# Altium PCB BW2098POE.PcbDoc (part 2 of 4) (continued)
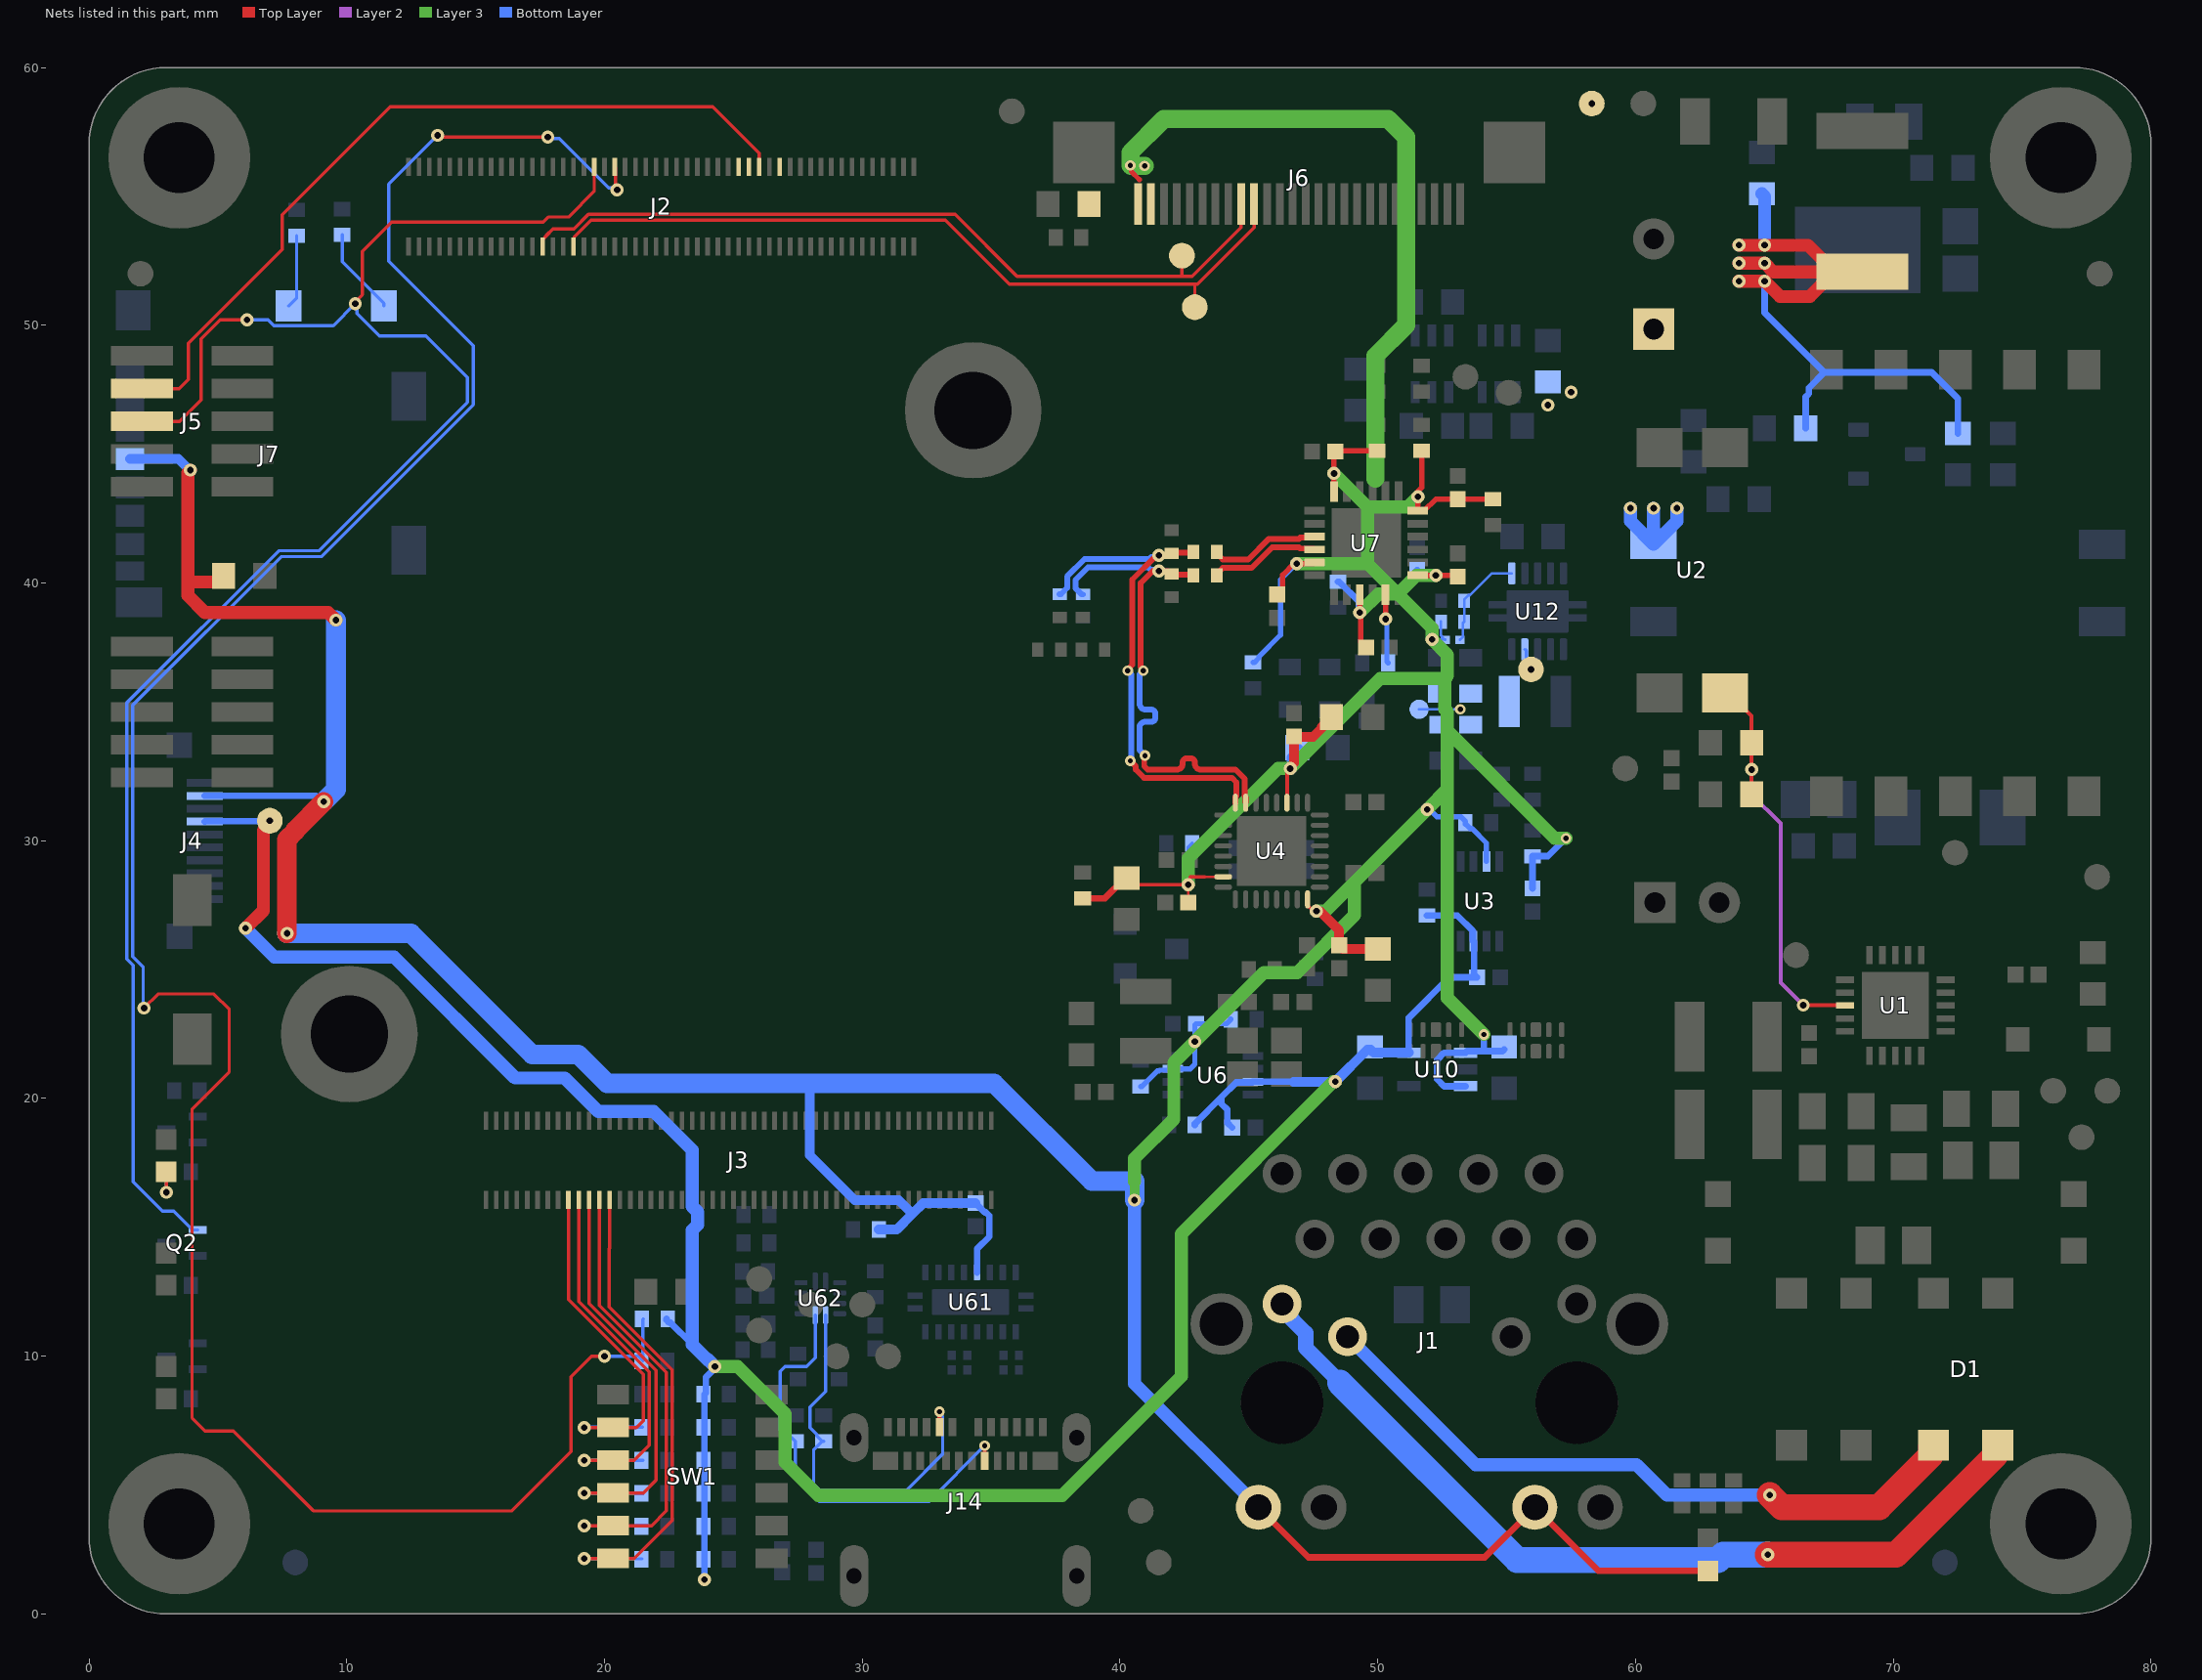
[diagram p4: the nets of this part, all layers, seen from the top]
## Part data (continued)
R70: library part RC0402FR-0722RL, "RES SMD 22 OHM 1% 1/16W 0402", Manufacturer 1=Yageo, Max Operating Temperature=155°C, Min Operating Temperature=-55°C, Package Height=0.35mm, Package Length=1mm, Package Shape=Rectangular, Package Style=SMTMeter, Package Width=0.5mm, Rated Power Dissipation (P)=62.5mW, Rated Temperature=70°C, Resistance=22R, Resistor Type="FIXED RESISTOR", Supplier Part Number 1=1987710, Temperature Coefficient=100ppm/°C, Tolerance=1%, Working Voltage=50V, Additional Feature="LASER TRIMMABLE", Category="Chip SMD Resistors", ComponentLink1Description=https://datasheet.ciiva.com:443/pdfs/VipMasterIC/IC/YAGO/YAGO-S-A0008145938/YAGO-S-A0008145938-1.pdf?src-supplier=IHS+Markit, ComponentLink1URL=https://datasheet.ciiva.com:443/pdfs/VipMasterIC/IC/YAGO/YAGO-S-A0008145938/YAGO-S-A0008145938-1.pdf?src-supplier=IHS+Markit, ComponentLink2Description=https://datasheet.ciiva.com/11819/0900766b80c66297-11819462.pdf?src-supplier=RSComponents, ComponentLink2URL=https://datasheet.ciiva.com/11819/0900766b80c66297-11819462.pdf?src-supplier=RSComponents, ComponentLink3Description=https://datasheet.ciiva.com/16930/pyu-rc0402-51-rohs-l-6-r-16930687.pdf?src-supplier=Future+Electronics, ComponentLink3URL=https://datasheet.ciiva.com/16930/pyu-rc0402-51-rohs-l-6-r-16930687.pdf?src-supplier=Future+Electronics, ComponentLink4Description=https://datasheet.ciiva.com/7849/1018594-7849911.pdf?src-supplier=Element14, ComponentLink4URL=https://datasheet.ciiva.com/7849/1018594-7849911.pdf?src-supplier=Element14, ComponentLink5Description=https://datasheet.ciiva.com/26829/getdatasheetpartid-554995-26829991.pdf?src-supplier=Verical, ComponentLink5URL=https://datasheet.ciiva.com/26829/getdatasheetpartid-554995-26829991.pdf?src-supplier=Verical, ComponentLink6Description=https://datasheet.ciiva.com/7849/1018594-7849912.pdf?src-supplier=Element14, ComponentLink6URL=https://datasheet.ciiva.com/7849/1018594-7849912.pdf?src-supplier=Element14, Construction=Chip, JESD-609 Code=e3, Manufacturer Part Number 1=RC0402FR-0722RL, Mount="Surface Mount", Number of Pins=2, Packaging="Tape and Reel", Pricing 1="10000=0,00200, 50000=0,00200, 100000=0,00200, 200000=0,00200, 400000=0,00200 (GBP)", REACH SVHC=Yes, RoHS=Yes, RoHS Compliant=Yes, Size Code=0402, Stock 1=4700, Supplier 1=RSComponents, Technology="METAL GLAZE/THICK FILM", Terminal Finish=Nickel, Termination=Wraparound
R187 R190: library part CRCW04021M80FKED, "RES SMD 1.8M OHM 1% 1/16W 0402", Case Code (Imperial)=0402, Case Code (Metric)=1005, Manufacturer 1=Vishay, Max Operating Temperature=155°C, Min Operating Temperature=-55°C, Package Quantity=10000, Power Rating=63mW, Resistance=1.8MR, Supplier Part Number 1=541-1.80MLCT-ND, Temperature Coefficient=100ppm/°C, Tolerance=1%, Voltage Rating=50V, Case/Package=0402, ComponentLink1Description=https://datasheet.ciiva.com/11812/0900766b80d98824-11812579.pdf?src-supplier=RSComponents, ComponentLink1URL=https://datasheet.ciiva.com/11812/0900766b80d98824-11812579.pdf?src-supplier=RSComponents, ComponentLink2Description=https://datasheet.ciiva.com/16886/dcrcwe3-16886536.pdf?src-supplier=Avnet+Europe, ComponentLink2URL=https://datasheet.ciiva.com/16886/dcrcwe3-16886536.pdf?src-supplier=Avnet+Europe, ComponentLink3Description=https://datasheet.ciiva.com/7800/1697337-7800987.pdf?src-supplier=Element14, ComponentLink3URL=https://datasheet.ciiva.com/7800/1697337-7800987.pdf?src-supplier=Element14, ComponentLink4Description=https://datasheet.ciiva.com/16786/70201119-16786875.pdf?src-supplier=Allied+Electronics, ComponentLink4URL=https://datasheet.ciiva.com/16786/70201119-16786875.pdf?src-supplier=Allied+Electronics, ComponentLink5Description=https://datasheet.ciiva.com/22676/1700796-22676027.pdf?src-supplier=Element14, ComponentLink5URL=https://datasheet.ciiva.com/22676/1700796-22676027.pdf?src-supplier=Element14, ComponentLink6Description=https://datasheet.ciiva.com/7800/1697337-7800988.pdf?src-supplier=Element14, ComponentLink6URL=https://datasheet.ciiva.com/7800/1697337-7800988.pdf?src-supplier=Element14, ComponentLink7Description=https://datasheet.ciiva.com/26316/fld-crcw-e3-data-en-26316605.pdf?src-supplier=Distrelec, ComponentLink7URL=https://datasheet.ciiva.com/26316/fld-crcw-e3-data-en-26316605.pdf?src-supplier=Distrelec, ComponentLink8Description=https://datasheet.ciiva.com/8336/dcrcwe3-8336646.pdf?src-supplier=Avnet, ComponentLink8URL=https://datasheet.ciiva.com/8336/dcrcwe3-8336646.pdf?src-supplier=Avnet, Composition="Thick Film", Contact Plating=Tin, Depth=0.5mm, Height=0.35mm, Lead Free="Lead Free", Length=1mm, Manufacturer Part Number 1=CRCW04021M80FKED, Military Standard=Not, Mount="Surface Mount", Number of Pins=2, Packaging="Tape and Reel", Pricing 1="1=0.10000, 10=0.03800, 100=0.01540, 1000=0.00690, 2500=0.00599, 5000=0.00495 (USD)", Radiation Hardening=No, REACH SVHC=Unknown, RoHS=Yes, Stock 1=26061, Supplier 1=Digi-Key, Termination=SMD/SMT, Voltage Rating (DC)=50V, Weight=2.3E-05oz, Width=0.5mm
SW1: library part A6H-6102, "SWITCH SLIDE DIP SPST 25MA 24V (SEALED)", Case/Package=DIP, Contact Resistance=200mR, Current Rating=25mA, Manufacturer 1=Omron, Max Operating Temperature=70°C, Max Voltage Rating (DC)=24V, Min Operating Temperature=-20°C, Package Quantity=54, Supplier Part Number 1=SW1117-ND, Actuator Length=0mm, Actuator Type="Slide (Standard)", ComponentLink1Description=https://datasheet.ciiva.com/26883/getdatasheetpartid-744653-26883354.pdf?src-supplier=Verical, ComponentLink1URL=https://datasheet.ciiva.com/26883/getdatasheetpartid-744653-26883354.pdf?src-supplier=Verical, ComponentLink2Description=https://datasheet.ciiva.com/2864/a6h-1110-2864768.pdf?src-supplier=Digi-Key, ComponentLink2URL=https://datasheet.ciiva.com/2864/a6h-1110-2864768.pdf?src-supplier=Digi-Key, ComponentLink3Description=https://datasheet.ciiva.com/1529/611565-1529044.pdf?src-supplier=Element14, ComponentLink3URL=https://datasheet.ciiva.com/1529/611565-1529044.pdf?src-supplier=Element14, ComponentLink4Description=https://datasheet.ciiva.com/16198/a6h-1110-16198863.pdf?src-supplier=Onlinecomponents.com, ComponentLink4URL=https://datasheet.ciiva.com/16198/a6h-1110-16198863.pdf?src-supplier=Onlinecomponents.com, Depth=6.7mm, Electrical Life=1000Cycles, Height=1.55mm, Length=0.348inch, Manufacturer Part Number 1=A6H-6102, Max Current Rating=25mA, Mechanical Life=1000Cycles, Mount="Surface Mount", Number of Circuits=6, Number of Poles=4, Number of Positions=6, Orientation=Straight, Packaging=Rail/Tube, Pitch=0.05inch, Pricing 1="1=2.66000, 10=2.57900, 25=2.44640, 50=2.28700, 100=2.23380, 250=1.91468, 500=1.86148, 1000=1.59555, 5000=1.46259 (USD)", Radiation Hardening=No, REACH SVHC=Unknown, RoHS=Yes, Stock 1=3953, Supplier 1=Digi-Key, Supplier 2=Mouser, Supplier 3=Farnell, Supplier Part Number 2=653-A6H-6102, Supplier Part Number 3=1829491, Terminal Pitch=1.27mm, Termination="Gull Wing", Throw Configuration=SPST, Voltage Rating (DC)=24V, Washable=Yes, Weight=0.12g, Width=4.5mm
T1: "TRANS FLYBACK POE 127UH SMD", Case/Package=SMD/SMT, Current Rating=1.3A, Frequency=500kHz, Inductance=127uH, Manufacturer 1="Wurth Electronics", Max Input Voltage=57V, Max Operating Temperature=125°C, Min Input Voltage=36V, Min Operating Temperature=-40°C, Output Voltage=5V, Package Quantity=1, Power Rating=13W, Supplier Part Number 1=732-2432-1-ND, ComponentLink1Description="Manufacturer URL", ComponentLink1URL=http://www.we-online.com, ComponentLink2Description=Datasheet, ComponentLink2URL=http://www.we-online.de/katalog/media/pdf/749119950.pdf, ComponentLink3Description=https://datasheet.ciiva.com/1378/749119950-1378246.pdf?src-supplier=Element14, ComponentLink3URL=https://datasheet.ciiva.com/1378/749119950-1378246.pdf?src-supplier=Element14, ComponentLink4Description=https://datasheet.ciiva.com/5309/749119950-91646-5309801.pdf?src-supplier=Mouser, ComponentLink4URL=https://datasheet.ciiva.com/5309/749119950-91646-5309801.pdf?src-supplier=Mouser, ComponentLink5Description=https://datasheet.ciiva.com/1386/749119950-1386647.pdf?src-supplier=Farnell, ComponentLink5URL=https://datasheet.ciiva.com/1386/749119950-1386647.pdf?src-supplier=Farnell, ComponentLink6Description=https://datasheet.ciiva.com/2940/749119950-2940138.pdf?src-supplier=Digi-Key, ComponentLink6URL=https://datasheet.ciiva.com/2940/749119950-2940138.pdf?src-supplier=Digi-Key, ComponentLink7Description=https://datasheet.ciiva.com/2940/749119950-2940139.pdf?src-supplier=Digi-Key, ComponentLink7URL=https://datasheet.ciiva.com/2940/749119950-2940139.pdf?src-supplier=Digi-Key, Height=12.5mm, Height - Seated (Max)=12.5mm, Length=13.5mm, Manufacturer Part Number 1=749119950, Mount="Surface Mount", Packaging="Tape and Reel", Pricing 1="1=5.64000, 10=5.44300, 50=5.14100, 100=4.83800 (USD)", REACH SVHC="No SVHC", RoHS=Yes, Stock 1=148, Supplier 1=Digi-Key, Supplier 2=Digi-Key, Supplier 3=Mouser, Supplier Part Number 2=732-2432-6-ND, Supplier Part Number 3=710-749119950, Width=17.75mm
TP1 TP2 TP3 TP4 TP5 TP6 TP7 TP8 TP9 TP10 TP11 TP12 TP13 TP16 TP17 TP18 TP19 TP20 TP40 TP41 TP42 TP43 TP44 TP?: library part TEST_POINT
  TP20: REACH SVHC="No SVHC", RoHS=Yes
U1: "IC POE CNTRL 1 CHANNEL 20QFN", Manufacturer 1="Silicon Labs", Supplier Part Number 1=336-4270-ND, ComponentLink1Description=https://www.silabs.com/documents/public/data-sheets/si3404-datasheet.pdf?src-supplier=Digi-Key, ComponentLink1URL=https://www.silabs.com/documents/public/data-sheets/si3404-datasheet.pdf?src-supplier=Digi-Key, Manufacturer Part Number 1=SI3404-A-GM, Pricing 1="1=1.46000, 25=1.41040, 100=1.35600, 1000=1.33340 (USD)", RoHS=No, Stock 1=1481, Supplier 1=Digi-Key, Supplier 2=Mouser, Supplier Part Number 2=634-SI3404-A-GM
U2: "OPTOISOLATOR 5.3KV TRANS 4-SMD", Case/Package=SMD/SMT, Collector Emitter Saturation Voltage=400mV, Collector Emitter Voltage (VCEO)=80V, Current Transfer Ratio=100%, Forward Current=60mA, Forward Voltage=1.1V, Isolation Voltage=5.3kV, Manufacturer 1="Vishay Semiconductors", Max Collector Current=50mA, Max Operating Temperature=110°C, Max Power Dissipation=150mW, Min Operating Temperature=-55°C, Package Quantity=1, Reverse Breakdown Voltage=6V, Supplier Part Number 1=VO618A-3X017TCT-ND, ComponentLink1Description=https://datasheet.ciiva.com/26183/vo618a-26183397.pdf?src-supplier=Avnet+Europe, ComponentLink1URL=https://datasheet.ciiva.com/26183/vo618a-26183397.pdf?src-supplier=Avnet+Europe, ComponentLink2Description=https://datasheet.ciiva.com/2087/vo618a-2087431.pdf?src-supplier=Digi-Key, ComponentLink2URL=https://datasheet.ciiva.com/2087/vo618a-2087431.pdf?src-supplier=Digi-Key, ComponentLink3Description=https://datasheet.ciiva.com/2087/vo618a-2087432.pdf?src-supplier=Digi-Key, ComponentLink3URL=https://datasheet.ciiva.com/2087/vo618a-2087432.pdf?src-supplier=Digi-Key, ComponentLink4Description=https://datasheet.ciiva.com/2087/vo618a-2087433.pdf?src-supplier=Digi-Key, ComponentLink4URL=https://datasheet.ciiva.com/2087/vo618a-2087433.pdf?src-supplier=Digi-Key, Contact Plating=Tin, Input Current=60mA, Lead Free="Lead Free", Manufacturer Part Number 1=VO618A-3X017T, Max Input Current=60mA, Max Output Voltage=80V, Mount="Surface Mount", Number of Channels=1, Number of Elements=1, Number of Pins=4, Output Current per Channel=50mA, Packaging="Tape and Reel", Power Dissipation=150mW, Pricing 1="1=1.04000, 10=0.80900, 100=0.51980, 500=0.43890 (USD)", Radiation Hardening=No, REACH SVHC=Unknown, RoHS=Yes, Stock 1=28306, Supplier 1=Digi-Key, Supplier 2=Newark, Supplier 3=Mouser, Supplier Part Number 2=48W3695, Supplier Part Number 3=78-VO618A-3X017T
U3 U6: library part TXS0102DCUR, "TEXAS INSTRUMENTS - TXS0102DCUR - IC, TRANSLATOR, 2 BIT, BI, US-8", Case/Package=VSSOP, High Level Output Current=-20uA, Low Level Output Current=1mA, Manufacturer 1="Texas Instruments", Max Operating Temperature=85°C, Max Supply Voltage=5.5V, Min Operating Temperature=-40°C, Min Supply Voltage=1.65V, Nominal Supply Current=14.4uA, Output Current=1A, Package Quantity=1, Supplier Part Number 1=296-21931-1-ND, Category="Logic Gates", ComponentLink1Description=https://datasheet.ciiva.com/15096/getdatasheetpartid-118249-15096172.pdf?src-supplier=Verical, ComponentLink1URL=https://datasheet.ciiva.com/15096/getdatasheetpartid-118249-15096172.pdf?src-supplier=Verical, ComponentLink2Description=https://datasheet.ciiva.com/22653/1846850-22653373.pdf?src-supplier=Farnell, ComponentLink2URL=https://datasheet.ciiva.com/22653/1846850-22653373.pdf?src-supplier=Farnell, ComponentLink3Description=https://datasheet.ciiva.com/1508/1857232-1508821.pdf?src-supplier=Element14, ComponentLink3URL=https://datasheet.ciiva.com/1508/1857232-1508821.pdf?src-supplier=Element14, ComponentLink4Description=https://datasheet.ciiva.com/1899/txs0102-1899368.pdf?src-supplier=Digi-Key, ComponentLink4URL=https://datasheet.ciiva.com/1899/txs0102-1899368.pdf?src-supplier=Digi-Key, ComponentLink5Description=https://datasheet.ciiva.com/1899/txs0102-1899369.pdf?src-supplier=Digi-Key, ComponentLink5URL=https://datasheet.ciiva.com/1899/txs0102-1899369.pdf?src-supplier=Digi-Key, ComponentLink6Description=https://datasheet.ciiva.com/1899/txs0102-1899370.pdf?src-supplier=Digi-Key, ComponentLink6URL=https://datasheet.ciiva.com/1899/txs0102-1899370.pdf?src-supplier=Digi-Key, ComponentLink7Description=https://datasheet.ciiva.com/14287/txs0102-14287516.pdf?src-supplier=Avnet, ComponentLink7URL=https://datasheet.ciiva.com/14287/txs0102-14287516.pdf?src-supplier=Avnet, ComponentLink8Description=https://datasheet.ciiva.com/28499/1863639-28499676.pdf?src-supplier=Element14, ComponentLink8URL=https://datasheet.ciiva.com/28499/1863639-28499676.pdf?src-supplier=Element14, ComponentLink9Description=https://datasheet.ciiva.com/14287/txs0102-14287518.pdf?src-supplier=Avnet, ComponentLink9URL=https://datasheet.ciiva.com/14287/txs0102-14287518.pdf?src-supplier=Avnet, ComponentLink10Description=https://datasheet.ciiva.com/46395/1863639-46395871.pdf?src-supplier=Element14, ComponentLink10URL=https://datasheet.ciiva.com/46395/1863639-46395871.pdf?src-supplier=Element14, Data Rate=24Mbps, Lead Free="Lead Free", Logic Function=Translator, Manufacturer Part Number 1=TXS0102DCUR, Number of Bits=2, Number of Channels=2, Number of Inputs=2, Number of Pins=8, Output Type=Voltage, Packaging="Tape and Reel", Pricing 1="1=0.75000, 10=0.65900, 25=0.61960, 100=0.50550, 250=0.46956, 500=0.39964, 1000=0.31971 (USD)", Propagation Delay=4.6ns, Quiescent Current=14.4uA, Radiation Hardening=No, REACH SVHC="No SVHC", RoHS=Yes, Stock 1=55123, Supplier 1=Digi-Key, Supplier 2=Newark, Supplier 3=Mouser, Supplier Part Number 2=30M1878, Supplier Part Number 3=595-TXS0102DCUR, Turn-On Delay Time=260ns, Weight=0.000339oz
U4: library part RTL8111HS, "IC ETHERNET/PCIe PHY Realtek", Manufacturer 1=Realtek, Manufacturer Part Number 1=RTL8111HS-CG, Supplier 1="Symmetry Electronics", Supplier 2="Future Electronics", Supplier Part Number 1=RTL8111HS-CG, Supplier Part Number 2=RTL8111HS-CG
U5: library part TLV431BCDBZR, "IC VREF SHUNT ADJ SOT23-3", Case/Package=SOT-23, Cathode Current=100uA, Manufacturer 1="Texas Instruments", Max Input Voltage=7V, Max Operating Temperature=125°C, Max Output Current=15mA, Max Output Voltage=6V, Min Input Voltage=1.24V, Min Operating Temperature=-40°C, Package Quantity=1, Supplier Part Number 1=296-17569-1-ND, Temperature Coefficient=129ppm/°C, Tolerance=0.5%, ComponentLink1Description=https://datasheet.ciiva.com/26889/tlv431bcdbzr-26889546.pdf?src-supplier=IIIC, ComponentLink1URL=https://datasheet.ciiva.com/26889/tlv431bcdbzr-26889546.pdf?src-supplier=IIIC, ComponentLink2Description=https://datasheet.ciiva.com/2006/tlv431a-2006546.pdf?src-supplier=Digi-Key, ComponentLink2URL=https://datasheet.ciiva.com/2006/tlv431a-2006546.pdf?src-supplier=Digi-Key, ComponentLink3Description=https://datasheet.ciiva.com/2006/tlv431a-2006547.pdf?src-supplier=Digi-Key, ComponentLink3URL=https://datasheet.ciiva.com/2006/tlv431a-2006547.pdf?src-supplier=Digi-Key, ComponentLink4Description=https://datasheet.ciiva.com/2006/tlv431a-2006548.pdf?src-supplier=Digi-Key, ComponentLink4URL=https://datasheet.ciiva.com/2006/tlv431a-2006548.pdf?src-supplier=Digi-Key, ComponentLink5Description=https://datasheet.ciiva.com/26264/tlv431b-26264234.pdf?src-supplier=Avnet+Europe, ComponentLink5URL=https://datasheet.ciiva.com/26264/tlv431b-26264234.pdf?src-supplier=Avnet+Europe, ComponentLink6Description=https://datasheet.ciiva.com/46397/1887487-46397709.pdf?src-supplier=Element14, ComponentLink6URL=https://datasheet.ciiva.com/46397/1887487-46397709.pdf?src-supplier=Element14, Lead Free="Lead Free", Manufacturer Part Number 1=TLV431BCDBZR, Number of Channels=1, Number of Pins=3, Output Current=15mA, Output Voltage=6V, Packaging="Tape and Reel", Pricing 1="1=0.92000, 10=0.81200, 100=0.57850, 500=0.46772, 1000=0.35695 (USD)", Radiation Hardening=No, REACH SVHC="No SVHC", Reference Type=Shunt,Adjustable, Reference Voltage=6V, RoHS=Yes, Stock 1=3209, Supplier 1=Digi-Key, Supplier 2="TI store", Supplier 3=Mouser, Supplier Part Number 2=TLV431BCDBZR, Supplier Part Number 3=595-TLV431BCDBZR
U7: "IC CLK GENERATOR 200MHZ 24QFN", Case/Package=QFN, Frequency=100MHz, Manufacturer 1="Silicon Labs", Max Frequency=200MHz, Max Operating Temperature=85°C, Max Supply Voltage=3.465V, Min Operating Temperature=-40°C, Min Supply Voltage=3.135V, Operating Supply Voltage=3.3V, Package Quantity=490, Supplier Part Number 1=336-2157-ND, Category="Clock and Timing", ComponentLink1Description=https://datasheet.ciiva.com/1178/si52142-1178690.pdf?src-supplier=Digi-Key, ComponentLink1URL=https://datasheet.ciiva.com/1178/si52142-1178690.pdf?src-supplier=Digi-Key, ComponentLink2Description=https://datasheet.ciiva.com/26919/getdatasheetpartid-550913-26919827.pdf?src-supplier=Verical, ComponentLink2URL=https://datasheet.ciiva.com/26919/getdatasheetpartid-550913-26919827.pdf?src-supplier=Verical, ComponentLink3Description=https://datasheet.ciiva.com/46413/1813417-46413349.pdf?src-supplier=Element14, ComponentLink3URL=https://datasheet.ciiva.com/46413/1813417-46413349.pdf?src-supplier=Element14, ComponentLink4Description=https://datasheet.ciiva.com/4771/si52142-4771159.pdf?src-supplier=Mouser, ComponentLink4URL=https://datasheet.ciiva.com/4771/si52142-4771159.pdf?src-supplier=Mouser, Height=0.75mm, Input=Clock, Length=4mm, Manufacturer Part Number 1=SI52142-A01AGM, Max Duty Cycle=55%, Number of Circuits=1, Number of Outputs=2, Number of Pins=24, Packaging=Tray, PLL=Yes, Pricing 1="1=1.81000, 25=1.66320, 100=1.51200, 1000=1.36080 (USD)", Radiation Hardening=No, REACH SVHC=Unknown, RoHS=Yes, Stock 1=398, Supplier 1=Digi-Key, Supplier 2=Mouser, Supplier 3=Newark, Supplier Part Number 2=634-SI52142A01A-GM, Supplier Part Number 3=54X5497, Width=4mm
U8 U11: library part LM66100DCKR, "IC OR CTRLR IDEAL DIODE SC70-6", Manufacturer 1="Texas Instruments", Supplier Part Number 1=296-53541-1-ND, Category="Integrated Circuits (ICs)", Lead Free="Lead Free", Manufacturer Part Number 1=LM66100DCKR, Pricing 1="1=0.41000, 10=0.32900, 25=0.30120, 100=0.20300, 250=0.16800, 500=0.15400, 1000=0.11550 (USD)", RoHS=Yes, Stock 1=8042, Supplier 1=Digi-Key, Supplier 2=Digi-Key, Supplier 3=Mouser, Supplier 4=Arrow, Supplier Part Number 2=296-53541-2-ND, Supplier Part Number 3=595-LM66100DCKR, Supplier Part Number 4=LM66100DCKR
U10: "IC REG LINEAR 1.8V 200MA SC70-5 Linear Voltage Regulator IC  1 Output  200mA SC-70-5", Case/Package=SC, Dropout Voltage=175mV, Manufacturer 1="Texas Instruments", Manufacturer Part Number 1=TLV70018DCKR, Manufacturer Part Number 2=TLV70018DCKT, Max Input Voltage=5.5V, Max Operating Temperature=125°C, Max Output Current=200mA, Max Output Voltage=1.8V, Max Power Dissipation=320mW, Min Current Limit=220mA, Min Input Voltage=2V, Min Operating Temperature=-40°C, Nominal Supply Current=31uA, Output Voltage Accuracy=2%, Package Quantity=1, Quiescent Current=30uA, Supplier Part Number 1=296-32409-1-ND, Accuracy=2%, ComponentLink1Description=https://datasheet.ciiva.com/41462/001014631-da-01-en-ic-reg-ldo-1-8v-0-tlv70018dckr-sot-5-tid-41462480.pdf?src-supplier=Conrad, ComponentLink1URL=https://datasheet.ciiva.com/41462/001014631-da-01-en-ic-reg-ldo-1-8v-0-tlv70018dckr-sot-5-tid-41462480.pdf?src-supplier=Conrad, ComponentLink2Description=https://datasheet.ciiva.com/22700/1882059-22700171.pdf?src-supplier=Element14, ComponentLink2URL=https://datasheet.ciiva.com/22700/1882059-22700171.pdf?src-supplier=Element14, ComponentLink3Description=https://datasheet.ciiva.com/14149/tlv700-eng-ds-14149837.pdf?src-supplier=Distrelec, ComponentLink3URL=https://datasheet.ciiva.com/14149/tlv700-eng-ds-14149837.pdf?src-supplier=Distrelec, ComponentLink4Description=https://datasheet.ciiva.com/7992/1882059-7992894.pdf?src-supplier=Element14, ComponentLink4URL=https://datasheet.ciiva.com/7992/1882059-7992894.pdf?src-supplier=Element14, Contact Plating=Gold, Height=1mm, Lead Free="Lead Free", Length=2.15mm, Manufacturer 2="Texas Instruments", Min Output Voltage=1.8V, Nominal Output Voltage=1.8V, Number of Outputs=1, Number of Pins=5, Number of Regulators=1, Output Current=200mA, Output Type=Fixed, Output Voltage=1.8V, Packaging="Tape and Reel", Polarity=Positive, Power Dissipation=320mW, Power Rating=320mW, Pricing 1="1=0.48000, 10=0.40900, 100=0.30570, 500=0.24020, 1000=0.18561 (USD)", Pricing 2="1=0.55000, 10=0.46700, 100=0.34900 (USD)", Radiation Hardening=No, REACH SVHC="No SVHC", RoHS=Yes, Stock 1=63905, Stock 2=13188, Supplier 1=Digi-Key, Supplier 2=Digi-Key, Supplier Part Number 2=296-25269-1-ND, Width=1.4mm
U12: "Switching Regulator, Voltage-mode, 3A, 1000kHz Switching Freq-Max, PDSO10", Manufacturer 1="Texas Instruments", Manufacturer Part Number 1=TPS51313DRCT, Supplier Part Number 1=296-39625-1-ND, Category="Voltage Regulators - Switching", ComponentLink1Description=https://www.ti.com:443/lit/ds/symlink/tps51313.pdf?src-supplier=IHS+Markit, ComponentLink1URL=https://www.ti.com:443/lit/ds/symlink/tps51313.pdf?src-supplier=IHS+Markit, ComponentLink2Description=https://datasheet.ciiva.com/6606/tps51313-6606037.pdf?src-supplier=Digi-Key, ComponentLink2URL=https://datasheet.ciiva.com/6606/tps51313-6606037.pdf?src-supplier=Digi-Key, ComponentLink3Description=https://datasheet.ciiva.com/12221/slusb31-213375-12221240.pdf?src-supplier=Mouser, ComponentLink3URL=https://datasheet.ciiva.com/12221/slusb31-213375-12221240.pdf?src-supplier=Mouser, Pricing 1="1=4,35000, 10=3,90500, 25=3,69200, 100=3,19970 (USD)", RoHS=Yes, Stock 1=10, Supplier 1=Digi-Key
U61: library part HD3SS3212RKSR, "IC MUX 2:1 8 OHM 20VQFN", Case/Package=VQFN, Manufacturer 1="Texas Instruments", Max Operating Temperature=70°C, Max Supply Voltage=3.6V, Min Operating Temperature=0°C, Min Supply Voltage=3V, Supplier Part Number 1=296-42174-1-ND, Bandwidth=8GHz, ComponentLink1Description=http://www.ti.com/general/docs/lit/getliterature.tsp?genericPartNumber=HD3SS3212&&fileType=pdf&src-supplier=Avnet, ComponentLink1URL=http://www.ti.com/general/docs/lit/getliterature.tsp?genericPartNumber=HD3SS3212&&fileType=pdf&src-supplier=Avnet, ComponentLink2Description=http://www.ti.com/general/docs/lit/getliterature.tsp?genericPartNumber=HD3SS3212&amp;&amp;fileType=pdf&src-supplier=Farnell, ComponentLink2URL=http://www.ti.com/general/docs/lit/getliterature.tsp?genericPartNumber=HD3SS3212&amp;&amp;fileType=pdf&src-supplier=Farnell, ComponentLink3Description=http://www.ti.com/lit/ds/symlink/hd3ss3212.pdf?src-supplier=Digi-Key, ComponentLink3URL=http://www.ti.com/lit/ds/symlink/hd3ss3212.pdf?src-supplier=Digi-Key, ComponentLink4Description=http://www.ti.com/lit/gpn/hd3ss3212?src-supplier=Mouser, ComponentLink4URL=http://www.ti.com/lit/gpn/hd3ss3212?src-supplier=Mouser, ComponentLink5Description=http://www.ti.com/general/docs/lit/getliterature.tsp?genericPartNumber=HD3SS3212&&fileType=pdf&src-supplier=Element14, ComponentLink5URL=http://www.ti.com/general/docs/lit/getliterature.tsp?genericPartNumber=HD3SS3212&&fileType=pdf&src-supplier=Element14, Data Rate=480Mbps, Lead Free="Lead Free", Manufacturer Part Number 1=HD3SS3212RKSR, Mount=Standard, Number of Pins=20, Number of Ports=3, Packaging="Tape and Reel", Pricing 1="1=1.79000, 10=1.61000, 100=1.29440, 500=1.06348, 1000=0.88117 (USD)", REACH SVHC="No SVHC", RoHS=Yes, Stock 1=36674, Supplier 1=Digi-Key, USB Standard="USB 3.1"
U62: library part TUSB321RWBR, "IC USB PORT CONTROL TYPE-C 12X2Q", Manufacturer 1="Texas Instruments", Max Operating Temperature=70°C, Max Supply Voltage=5.5V, Min Operating Temperature=0°C, Min Supply Voltage=4.5V, Supplier Part Number 1=296-42400-1-ND, ComponentLink1Description=http://www.ti.com/general/docs/lit/getliterature.tsp?genericPartNumber=TUSB321&&fileType=pdf&src-supplier=Avnet+Asia, ComponentLink1URL=http://www.ti.com/general/docs/lit/getliterature.tsp?genericPartNumber=TUSB321&&fileType=pdf&src-supplier=Avnet+Asia, ComponentLink2Description=http://www.ti.com/general/docs/lit/getliterature.tsp?genericPartNumber=TUSB321&&fileType=pdf&src-supplier=Farnell, ComponentLink2URL=http://www.ti.com/general/docs/lit/getliterature.tsp?genericPartNumber=TUSB321&&fileType=pdf&src-supplier=Farnell, ComponentLink3Description=http://www.ti.com/lit/ds/symlink/tusb321.pdf?src-supplier=Digi-Key, ComponentLink3URL=http://www.ti.com/lit/ds/symlink/tusb321.pdf?src-supplier=Digi-Key, ComponentLink4Description=http://www.ti.com/general/docs/lit/getliterature.tsp?genericPartNumber=TUSB321&&fileType=pdf&src-supplier=Element14, ComponentLink4URL=http://www.ti.com/general/docs/lit/getliterature.tsp?genericPartNumber=TUSB321&&fileType=pdf&src-supplier=Element14, ComponentLink5Description=http://www.ti.com/general/docs/lit/getliterature.tsp?genericPartNumber=TUSB321&&fileType=pdf&src-supplier=Avnet, ComponentLink5URL=http://www.ti.com/general/docs/lit/getliterature.tsp?genericPartNumber=TUSB321&&fileType=pdf&src-supplier=Avnet, Contact Plating=Gold, Lead Free="Lead Free", Manufacturer Part Number 1=TUSB321RWBR, Mount="Surface Mount", Number of Pins=12, Number of Ports=1, Packaging="Tape and Reel", Pricing 1="1=2.27000, 10=2.04200, 100=1.64100, 500=1.34828, 1000=1.11714 (USD)", REACH SVHC="No SVHC", RoHS=Yes, Stock 1=7746, Supplier 1=Digi-Key, USB Standard="USB 3.1"
X1: library part ECS-250-18-36B-CKY-TR, "CRYSTAL 25.0000MHZ 18PF SMD 25MHz ±10ppm Crystal 18pF 50 Ohms 4-SMD, No Lead", Manufacturer 1="ECS International", Supplier Part Number 1=XC3051CT-ND, Manufacturer Part Number 1=ECS-250-18-36B-CKY-TR, Pricing 1="1=0.48000, 10=0.39900, 50=0.35880, 100=0.31900, 500=0.30306 (USD)", RoHS=No, Stock 1=1111, Supplier 1=Digi-Key, Supplier 2=Mouser, Supplier 3=Arrow, Supplier Part Number 2=520-250-18-36B-CKYT, Supplier Part Number 3=ECS-250-18-36B-CKY-TR

## Via types
v1: diameter 0.508, hole 0.254, Top Layer to Bottom Layer, tented both sides, 416 vias
v2: diameter 0.406, hole 0.203, Top Layer to Bottom Layer, tented both sides, 145 vias

## Nets (pads, with @x,y where several pads share a name; then routed paths per layer and width w, separated by ;. In a path a pad name is that pad's centre, name@x,y a point inside that pad or via, vN(x,y) a via of type N, cw(c..) or ccw(c..) an arc to the next point about the centre after c; other vN are vias at no path point)
1V8: C18.2 C52.2 C60.2 J4.7 R1.1 R2.2 R6.2 R7.2 R9.2 R16.2 R50.2 R60.2 R61.2 TP16.1 U3.3 U6.3 U10.5 | length 103.6
  Top Layer w0.508: v1(6.079,26.605) 6.767,27.293 6.767,30.396 7.014,30.643 v1(7.014,30.776)
  Layer 3 w0.508: v1(24.281,9.6) 25.17,9.6 27,7.77 27,5.886 28.296,4.59 37.751,4.59 42.38,9.219 42.38,14.748 48.281,20.65 v1(48.35,20.65)
  Bottom Layer w0.254: J4.7@4.494,30.742 4.512,30.759 6.997,30.759 v1(7.014,30.776) ; R1.1@22.408,11.45 22.408,11.4 22.506,11.302 22.556,11.302 23.4,10.458 ; v1(23.881,1.335) R16.2@23.881,2.124 ; R16.2@23.881,2.133 R61.2@23.881,3.404 ; R61.2@23.881,3.413 R60.2@23.881,4.684 ; R60.2@23.881,4.693 R7.2@23.881,5.964 ; R7.2@23.881,5.973 R9.2@23.881,7.244 ; R9.2@23.881,7.253 23.881,8.524 23.93,8.573 23.93,9.18 24.281,9.531 v1(24.281,9.6) v1@24.233,9.649 ; R50.2@42.9,18.97 42.9,19.02 43.926,20.046 ; C52.2@44.35,18.87 44.167,19.053 44.167,19.561 43.926,19.803 43.926,20.046 ; 46.732,20.65 U6.3@45.15,20.65 45.127,20.627 44.507,20.627 43.926,20.046 ; C60.2@49.7,21.9 49.703,21.897 C60.2@49.825,21.775 ; U10.5@51.2,21.775 51.2,23.133 52.768,24.7 C18.2@53.85,24.7 53.736,24.814 53.736,26.079 U3.3@53.713,26.102 53.69,26.125 53.69,26.498 53.088,27.1 R6.2@51.9,27.1
  Bottom Layer w0.381: 46.732,20.65 v1(48.35,20.65) 49.597,21.897 49.703,21.897 49.722,21.897 49.834,21.785 51.191,21.785 U10.5@51.2,21.775
  Bottom Layer w0.508: v1(6.079,26.605) 7.199,25.486 11.841,25.486 16.53,20.796 18.457,20.796 19.753,19.5 21.9,19.5 23.4,18 23.4,15.812 23.61,15.603 23.61,15.098 23.4,14.888 23.4,10.458 23.988,9.87 ; 24,9.881 v1@24.233,9.649
3V3: C10.2 C16.1 C17.1 C19.2 C21.2 C27.1 C28.1 C29.1 C30.1 C31.1 C32.2 C34.2 C35.1 C38.2 C39.2 C40.2 C41.2 C51.1 C53.2 C54.2 C55.2 C59.2 C74.2 D16.2 FB1.2 J1.15 J1.17 J4.9 J6.25 J6.26 J7.4 L3.2 R25.1 R26.1 R28.1 R29.1 R30.2 R35.1 R37.1 R38.1 R39.1 R46.1 R49.1 R68.2 R186.2 TP20.1 U3.7 U4.11 U4.23 U4.32 U6.7 U7.1 U7.6 U7.12 U7.17 U7.21 U10.1 U10.3 U61.6 | length 282
  Top Layer w0.102: C34.2@42.65,27.6 v1(42.65,28.29) ; 42.687,28.557 42.721,28.591 ; 43.3,28.6 U4.23@44,28.6
  Top Layer w0.127: C21.2@40.2,28.55 C21.2@40.25,28.55 40.3,28.6 40.61,28.29 v1(42.65,28.29) ; 42.721,28.591 43.291,28.591 43.3,28.6 ; U4.32@47.275,27.725 47.275,27.495 v1@47.441,27.328
  Top Layer w0.152: U4.11@46.475,31.475 46.481,31.481 v1@46.481,32.684 ; C41.2@46.75,34.05 C41.2@46.769,34.031
  Top Layer w0.2: v2(40.4,56.2) 40.439,56.161 40.439,55.961 40.747,55.653
  Top Layer w0.203: C27.1@46.1,39.55 46.308,39.758 46.308,40.308 46.752,40.752 v1(46.85,40.752) 47.502,40.752 U7.17@47.55,40.8 ; U7.12@48.3,43.55 v1(48.3,44.25) 48.3,45.05 C29.1@48.35,45.1 48.375,45.125 R39.1@49.975,45.125 ; U7.21@49.3,39.55 v1(49.3,38.85) 49.3,38.795 49.342,38.753 49.342,37.708 C31.1@49.55,37.5 ; U7.1@51.55,40.3 v1(52.25,40.3) 53.05,40.3 C30.1@53.1,40.25 ; R38.1@51.7,45.125 51.7,43.7 51.55,43.55 v1(51.55,43.35) U7.6@51.55,42.8 51.8,42.8 52.25,43.25 C28.1@53.1,43.25 R35.1@54.463,43.25
  Top Layer w0.254: R29.1@38.552,27.766 39.416,27.766 C21.2@40.2,28.55 ; J1.15@45.37,4.14 47.31,2.2 54.15,2.2 J1.17@56.09,4.14 58.555,1.675 D16.2@62.8,1.675
  Top Layer w0.381: v1@46.75,32.999 C41.2@46.75,34.05 ; C41.2@46.769,34.031 47.486,34.031 47.826,34.371 47.826,34.426 C38.2@48.2,34.8 ; v1(47.618,27.275) 47.643,27.251 47.775,27.251 48.5,26.526 C40.2@48.5,25.95 48.65,25.8 C39.2@50,25.8
  Top Layer w0.508: v1(3.936,44.379) 3.832,44.274 3.832,40.037 ; C55.2@5.219,40.281 5.219,40.233 5.023,40.037 3.832,40.037 ; v1(9.581,38.561) 9.281,38.86 4.49,38.86 3.832,39.519 3.832,40.037
  Top Layer w0.762: v1(7.683,26.41) 7.683,30.055 7.997,30.369 7.997,30.405 v1(9.104,31.512)
  Layer 3 w0.381: v1(40.565,16.057) 40.565,16.793
  Layer 3 w0.508: 40.565,16.793 40.565,17.673 42.083,19.192 42.083,21.392 v1(42.9,22.208) 45.572,24.881 46.866,24.881 49.096,27.111 49.096,28.396 ; v1(42.65,28.29) 42.65,29.312 46.138,32.8 v1(46.6,32.8) 50.1,36.3 52.6,36.3 ; v1(46.85,40.752) 49.598,40.752 ; v1(47.618,27.275) 47.975,27.275 49.096,28.396 ; v1(48.3,44.25) 49.598,42.952 ; v1(49.3,38.85) 50.027,39.577 50.773,39.577 ; v1(51.55,43.35) 51.152,42.952 49.598,42.952 ; v1(52.25,40.3) 51.497,40.3 50.773,39.577 ; v2(54.119,22.482) 52.7,23.9 52.7,32 ; v2(57.3,30.1) 56.866,30.1 52.7,34.266 ; 49.096,28.396 v1(51.919,31.219) 52.7,32 ; 49.598,40.752 49.598,42.952 ; 49.598,40.752 50.773,39.577 ; 50.773,39.577 52.1,38.25 v1(52.1,37.806) 52.7,37.206 52.7,36.4 52.6,36.3 ; 52.6,36.3 52.6,35.1 52.7,35 52.7,34.266 ; 52.7,32 52.7,34.266
  Layer 3 w0.7: v2(40.951,56.18) 40.42,56.18 v2(40.4,56.2) 40.4,56.7 41.7,58 50.4,58 51.1,57.3 51.1,50 49.9,48.8 49.9,44.055
  Bottom Layer w0.102: TP20.1@51.6,35.1 v2@53.198,35.099 ; v1(52.1,37.806) C54.2@52.594,37.806 ; R68.2@52.45,38.5 52.45,37.97 52.491,37.929 52.491,37.909 C54.2@52.594,37.806 ; C54.2@52.594,37.806 52.614,37.806 C54.2@52.62,37.8 52.6,37.8 C54.2@52.594,37.806
  Bottom Layer w0.127: v1(42.65,28.29) 42.65,29.75 R28.1@42.8,29.9
  Bottom Layer w0.203: R49.1@40.8,20.47 40.85,20.47 41.457,21.077 41.513,21.077 41.538,21.102 42.002,21.102 U6.7@42.05,21.15 42.723,21.15 42.9,21.327 v1(42.9,22.208) 42.9,22.85 C53.2@42.95,22.9 44.127,22.9 44.3,23.073 R46.1@44.3,23.075 ; R30.2@45.158,36.917 45.208,36.917 45.381,37.09 45.381,37.14 46.222,37.981 46.222,40.123 v1(46.85,40.752) ; v1(51.919,31.219) 52.002,31.219 52.298,30.923 53.227,30.923 53.4,30.75 R25.1@53.4,30.7 53.4,30.65 53.573,30.477 53.643,30.477 54.213,29.906 U3.7@54.213,29.202
  Bottom Layer w0.254: J4.9@4.494,31.742 8.806,31.742 9.035,31.512 v1(9.104,31.512) ; R186.2@30.636,14.923 R186.2@30.641,14.918 ; C74.2@34.392,15.945 34.754,15.584 34.797,15.584 34.931,15.45 34.931,14.641 34.45,14.16 U61.6@34.45,13.25 ; v1(46.6,32.8) 46.6,33.254 46.916,33.57 FB1.2@46.963,33.617 ; R37.1@48.45,40.05 48.5,40.05 49.271,39.279 49.271,38.879 v1(49.3,38.85) ; C32.2@51.524,40.5 51.695,40.329 52.221,40.329 v1(52.25,40.3) ; U10.3@53.4,20.475 52.575,20.475 52.3,20.75 52.3,21.5 52.575,21.775 U10.1@53.4,21.775 53.463,21.838 54.152,21.838 ; v2(54.119,22.482) 54.119,21.871 54.152,21.838 ; C59.2@54.9,21.9 54.838,21.838 54.152,21.838 ; C19.2@56,28.15 R26.1@56,29.4 56.6,29.4 v2(57.3,30.1)
  Bottom Layer w0.381: J7.4@1.588,44.813 3.467,44.813 3.901,44.379 v1(3.936,44.379) ; 28.2,20.587 27.964,20.35 27.964,17.804 29.71,16.057 31.413,16.057 31.947,15.524 ; R186.2@30.641,14.918 31.341,14.918 31.947,15.524 ; C74.2@34.392,15.945 32.368,15.945 31.947,15.524
  Bottom Layer w0.508: v1(40.565,16.057) 40.565,8.945 J1.15@45.37,4.14
  Bottom Layer w0.762: v1(7.683,26.41) 12.49,26.41 17.192,21.708 18.981,21.708 20.103,20.587 28.2,20.587 35.11,20.587 38.904,16.793 40.565,16.793 v1(40.565,16.057) ; v1(9.104,31.512) 9.581,31.989 v1(9.581,38.561)
  other v2: 53.199,35.099
3V3_PG: TP?.1 U12.9 | length 0.9
  Bottom Layer w0.127: U12.9@55.7,37.425 55.76,37.365 55.76,36.934 55.943,36.75 v1(55.943,36.647)
5V_LED: D6.2 R55.1 | length 1.6
  Top Layer w0.127: v1(3,16.361) D6.2@3,17.15
  Bottom Layer w0.127: v1(3,16.361) R55.1@3,17.15
5V_PoE: C7.1 C9.2 C26.2 L1.2 R14.2 R24.2 R51.1 TP6.1 | length 34.7
  Top Layer w0.5: v1(64.007,51.707) v1(65.007,51.707) 65.598,51.116 66.766,51.116 L1.2@67.72,52.07 ; v1(64.007,52.407) v1(65.007,52.407) 65.344,52.07 L1.2@67.72,52.07 ; v1(64.007,53.107) v1(65.007,53.107) 66.683,53.107 L1.2@67.72,52.07 ; L1.2@68.8,52.07 L1.2@67.72,52.07
  Bottom Layer w0.254: v1(65.007,51.707) 65.007,50.483 67.32,48.17 ; R24.2@66.6,46 66.6,47.223 66.722,47.345 66.722,47.572 67.32,48.17 ; R14.2@72.5,45.8 72.5,47.161 71.491,48.17 67.32,48.17
  Bottom Layer w0.5: C7.1@60.45,49.6 C7.1@60.7,49.85 ; C9.2@64.9,55.1 65.007,54.993 v1(65.007,53.107)
  Bottom Layer w0.508: v1(59.8,42.9) 59.8,42.4 C26.2@60.7,41.5 ; v1(60.7,42.9) C26.2@60.7,41.5 ; v1(61.6,42.9) 61.6,42.4 C26.2@60.7,41.5
  other v1: 56.6,46.9 57.5,47.4 58.3,58.6
2485_PGOOD: J2.37 J5.5 Q2.1 | length 71.5
  Top Layer w0.127: J5.5@2.05,46.27 3.522,46.27 4.347,47.095 4.347,49.465 5.088,50.206 v1(6.133,50.206) ; v1(10.329,50.832) 10.329,50.909 10.605,51.185 10.605,52.868 11.738,54 17.616,54 17.816,54.2 18.6,54.2 19.6,55.2 J2.37@19.6,56.14
  Bottom Layer w0.127: Q2.1@4.219,14.901 4.014,14.901 3.288,15.627 2.856,15.627 1.719,16.764 1.719,25.16 1.47,25.409 1.47,35.356 7.365,41.251 8.921,41.251 14.225,46.555 14.683,47.013 14.683,47.973 13.065,49.591 11.261,49.591 10.402,50.449 10.402,50.731 v1@10.329,50.804 ; v1(6.133,50.206) 6.945,50.206 7.169,49.982 9.48,49.982 v1(10.329,50.832)
2485_WAKEUP: J2.41 R1.2 R62.1 | length 96.4
  Top Layer w0.127: v1(2.138,23.509) 2.685,24.056 4.845,24.056 ; 4.845,24.055 5.44,23.46 5.44,21.04 4,19.6 4,7.6 4.5,7.1 5.6,7.1 8.7,4 16.4,4 18.7,6.3 18.7,9.2 19.5,10 v1(20,10) ; v1(13.527,57.367) 13.594,57.3 v1(17.8,57.3) ; J2.41@20.4,56.14 20.426,56.113 20.426,55.314 v1(20.49,55.25)
  Bottom Layer w0.127: v1(2.138,23.509) 2.1,23.547 2.1,25.103 1.699,25.504 1.699,35.262 7.46,41.023 9.016,41.023 14.911,46.918 14.911,49.208 11.632,52.487 11.632,55.471 v1(13.527,57.367) ; v1(17.8,57.3) 17.856,57.244 18.244,57.244 20.166,55.323 20.417,55.323 v1(20.49,55.25) ; v1(20,10) 21.319,10 R62.1@21.481,9.838 ; R62.1@21.481,9.824 R62.1@21.481,9.838 ; R1.2@21.508,11.45 21.483,11.425 21.481,11.424 R62.1@21.481,9.838
AUX_IO_IRQ: J2.69 J5.3 | length 31.4
  Top Layer w0.127: J5.3@2.05,47.54 3.504,47.54 3.856,47.892 3.856,49.297 7.498,52.939 7.498,54.292 11.678,58.472 24.198,58.472 26,56.67 J2.69@26,56.14
BOOT0: J3.26 R23.1 SW1.6 | length 19.7
  Top Layer w0.127: v1(19.207,2.154) SW1.6@20.331,2.154 21.146,2.154 22.629,3.636 22.629,9.465 20.181,11.912 20.181,14.174 20.2,14.193 J3.26@20.2,16.06
  Bottom Layer w0.127: v1@19.257,2.144 R23.1@21.461,2.144
BOOT1: J3.24 R22.1 SW1.5 | length 18.8
  Top Layer w0.127: v1(19.207,3.424) SW1.5@20.331,3.424 21.824,3.424 22.4,4 22.4,9.37 19.8,11.97 J3.24@19.8,16.06
  Bottom Layer w0.127: v1@19.267,3.414 R22.1@21.471,3.414
BOOT2: J3.22 R21.1 SW1.4 | length 17.1
  Top Layer w0.127: v1(19.207,4.694) SW1.4@20.331,4.694 21.5,4.694 22,5.194 22,9.447 19.4,12.047 J3.22@19.4,16.06
  Bottom Layer w0.127: v1@19.267,4.694 R21.1@21.471,4.694
BOOT3: J3.20 R20.1 SW1.3 | length 15.6
  Top Layer w0.127: J3.20@19,16.06 19,12.123 21.729,9.395 21.729,6.546 21.146,5.964 SW1.3@20.331,5.964 v1(19.207,5.964)
  Bottom Layer w0.127: v1@19.277,5.964 R20.1@21.431,5.964 R20.1@21.481,5.964
BOOT4: J3.18 R19.1 SW1.2 | length 14.4
  Top Layer w0.127: J3.18@18.6,16.06 18.6,12.2 21.5,9.3 21.5,7.5 21.234,7.234 SW1.2@20.331,7.234 v1(19.207,7.234)
  Bottom Layer w0.127: v1@19.267,7.254 R19.1@21.471,7.254
BRIDGE_REFCLK1_N: R33.2 U7.15 | length 4.3
  Top Layer w0.223: R33.2@43.75,41.2 43.75,41.15 43.987,40.913 44.972,40.913 45.772,41.713 46.938,41.713 46.988,41.762 47.512,41.762 U7.15@47.55,41.8
BRIDGE_REFCLK1_P: R65.2 U7.16 | length 4.3
  Top Layer w0.223: R65.2@43.75,40.3 43.75,40.35 43.987,40.587 45.107,40.587 45.907,41.387 46.938,41.387 46.988,41.338 47.512,41.338 U7.16@47.55,41.3
BRIDGE_REFCLK_N: R33.1 R43.2 R72.2 U4.16 | length 20
  Top Layer w0.223: v2(40.3,36.6) 40.3,36.649 40.475,36.824 40.475,40.132 v1@41.39,41.047 ; v2(40.4,33.1) 40.4,33.091 40.613,32.878 40.613,32.757 40.935,32.436 44.346,32.436 44.512,32.269 44.512,31.739 44.475,31.701 U4.16@44.475,31.475 ; v1@41.508,41.047 41.847,41.047 41.975,41.175 42.825,41.175 R33.1@42.85,41.2
  Bottom Layer w0.223: R72.2@37.654,39.567 37.704,39.567 37.946,39.808 37.946,40.251 38.625,40.93 41.135,40.93 41.217,41.012 41.453,41.012 v1(41.508,41.066) ; v2(40.3,36.6) 40.437,36.463 40.437,34.937 40.429,34.928 40.429,33.129 v2(40.4,33.1)
BRIDGE_REFCLK_P: R42.2 R65.1 R71.2 U4.15 | length 19.9
  Top Layer w0.223: v2@40.8,36.749 40.8,39.998 v1@41.278,40.476 ; v2(40.967,33.305) 40.938,33.276 40.938,32.892 41.069,32.761 41.524,32.761 42.203,32.761 ccw(c42.203,32.985) 42.426,32.985 42.426,33.031 cw(c42.593,33.031) 42.593,33.198 42.736,33.198 cw(c42.736,33.031) 42.904,33.031 42.904,32.985 ccw(c43.127,32.985) 43.127,32.761 43.716,32.761 44.48,32.761 44.838,32.404 44.838,31.739 44.875,31.701 U4.15@44.875,31.475 ; v1@41.514,40.463 41.837,40.463 41.975,40.325 42.825,40.325 R65.1@42.85,40.3
  Bottom Layer w0.223: R71.2@38.562,39.556 38.512,39.556 38.271,39.798 38.271,40.117 38.759,40.605 41.095,40.605 41.176,40.524 41.453,40.524 v1(41.508,40.469) ; v2(40.9,36.6) 40.763,36.463 40.763,35.704 40.763,35.314 ccw(c40.986,35.314) 40.986,35.09 41.205,35.09 cw(c41.205,34.923) 41.372,34.923 41.372,34.78 cw(c41.205,34.78) 41.205,34.613 40.977,34.613 ccw(c40.977,34.389) 40.754,34.389 40.754,33.8 40.754,33.527 40.967,33.314 v2(40.967,33.305)
CAM_A_CLK: J2.28 J6.18 TP4.1 | length 31.3
  Top Layer w0.127: 42.389,51.9 42.4,51.911 TP4.1@42.4,52.7
  Top Layer w0.13: J2.28@17.6,53.06 17.6,53.32 17.744,53.464 17.744,53.479 18.006,53.741 18.814,53.741 19.374,54.301 33.599,54.301 36,51.9 42.389,51.9 42.8,51.9 44.7,53.8 J6.18@44.7,54.7
CAM_A_PWDN_N: J2.34 J6.17 TP17.1 | length 30.9
  Top Layer w0.13: J2.34@18.8,53.06 18.825,53.085 18.825,53.425 19.47,54.07 33.23,54.07 35.7,51.6 42.9,51.6 ; TP17.1@42.9,50.7 42.9,51.6 ; J6.17@45.225,54.818 45.2,54.793 45.2,53.8 43,51.6 42.9,51.6
CAM_B_CLK: J2.73
CAM_B_D_PWM: J2.65
CAM_B_PWDN_N: J2.67
CC1: J14.A5 RZ28.2 U62.1 | length 15.2
  Top Layer w0.158: v2(32.995,7.849) 32.998,7.847 32.998,7.253 J14.A5@33,7.25
  Bottom Layer w0.127: RZ28.2@28.5,6.7 RZ28.2@28.45,6.7 ; U62.1@28.575,11.601 28.575,8.631 27.969,8.025 27.969,7.231 28.239,6.962 28.239,6.912 RZ28.2@28.45,6.7 ; v2(32.995,7.849) 32.995,7.773 33.118,7.65 33.118,6.199 31.699,4.781 28.375,4.781 28.112,5.044 28.112,6.362 RZ28.2@28.45,6.7
CC2: J14.B5 RZ29.2 U62.2 | length 16.9
  Top Layer w0.152: v2(34.748,6.528) 34.749,6.527 J14.B5@34.75,5.95 J14.B5@34.75,5.95
  Bottom Layer w0.127: U62.2@28.175,11.601 28.175,9.942 27.833,9.6 27,9.6 26.81,9.41 26.81,7.14 27.092,6.858 27.242,6.858 RZ29.2@27.4,6.7 27.4,5.3 28.328,4.373 32.592,4.373 v2(34.748,6.528)
CD_SW1: J7.9 R66.1 | length 2.9
  Bottom Layer w0.127: J7.9@7.738,50.748 8.057,51.067 R66.1@8.057,53.466
CD_SW2: J7.10 R67.2 | length 3.4
  Bottom Layer w0.127: R67.2@9.823,53.504 9.823,52.462 11.438,50.847 J7.10@11.438,50.748
CLK_IN: R64.1 U7.23 | length 2.7
  Top Layer w0.206: v1(50.3,38.6) U7.23@50.3,39.55
  Bottom Layer w0.206: v1(50.3,38.6) 50.35,38.55 50.35,36.95 R64.1@50.4,36.9
CT1: D1.2 J1.11 | length 34.3
  Top Layer w1: v1(65.132,2.3) 70.1,2.3 73.95,6.15 73.95,6.45 D1.2@74,6.5
  Bottom Layer w0.6: J1.11@46.285,12.03 46.285,11.815 47.2,10.9 47.2,10.331 48.531,9
  Bottom Layer w1: 48.531,8.969 55.4,2.1 63.2,2.1 63.4,2.3 v1(65.132,2.3)
CT2: D1.3 J1.12 | length 26.7
  Top Layer w1: v1(65.2,4.614) 65.669,4.145 69.445,4.145 71.45,6.15 71.45,6.45 D1.3@71.55,6.55
  Bottom Layer w0.508: J1.12@48.825,10.76 53.793,5.792 60.037,5.792 61.214,4.614 v1(65.2,4.614) v1@65.283,4.614
EROUT: R12.1 R18.2 U1.3 U2.4 | length 16
  Top Layer w0.152: U2.4@63.47,35.74 63.6,35.74 64.5,34.84 R18.2@64.5,33.8 v1(64.5,32.762) R12.1@64.5,31.8 ; v1(66.502,23.622) 66.509,23.615 68.119,23.615 U1.3@68.126,23.607
  Layer 2 w0.152: v1@64.5,32.749 64.5,31.8 65.625,30.675 65.625,24.499 v1(66.502,23.622)
FB_3V3: C54.1 R68.1 R69.2 U12.1 | length 3.9
  Bottom Layer w0.102: C54.1@53.18,37.8 53.191,37.8 53.3,37.909 53.3,38.45 R68.1@53.35,38.5 R69.2@53.35,39.3 53.35,39.35 53.524,39.524 53.574,39.524 54.425,40.375 U12.1@55.2,40.375